# EAGLE board Mk4 Final a Panel score 2x5 (EAGLE 9.0.1), part 2 of 29
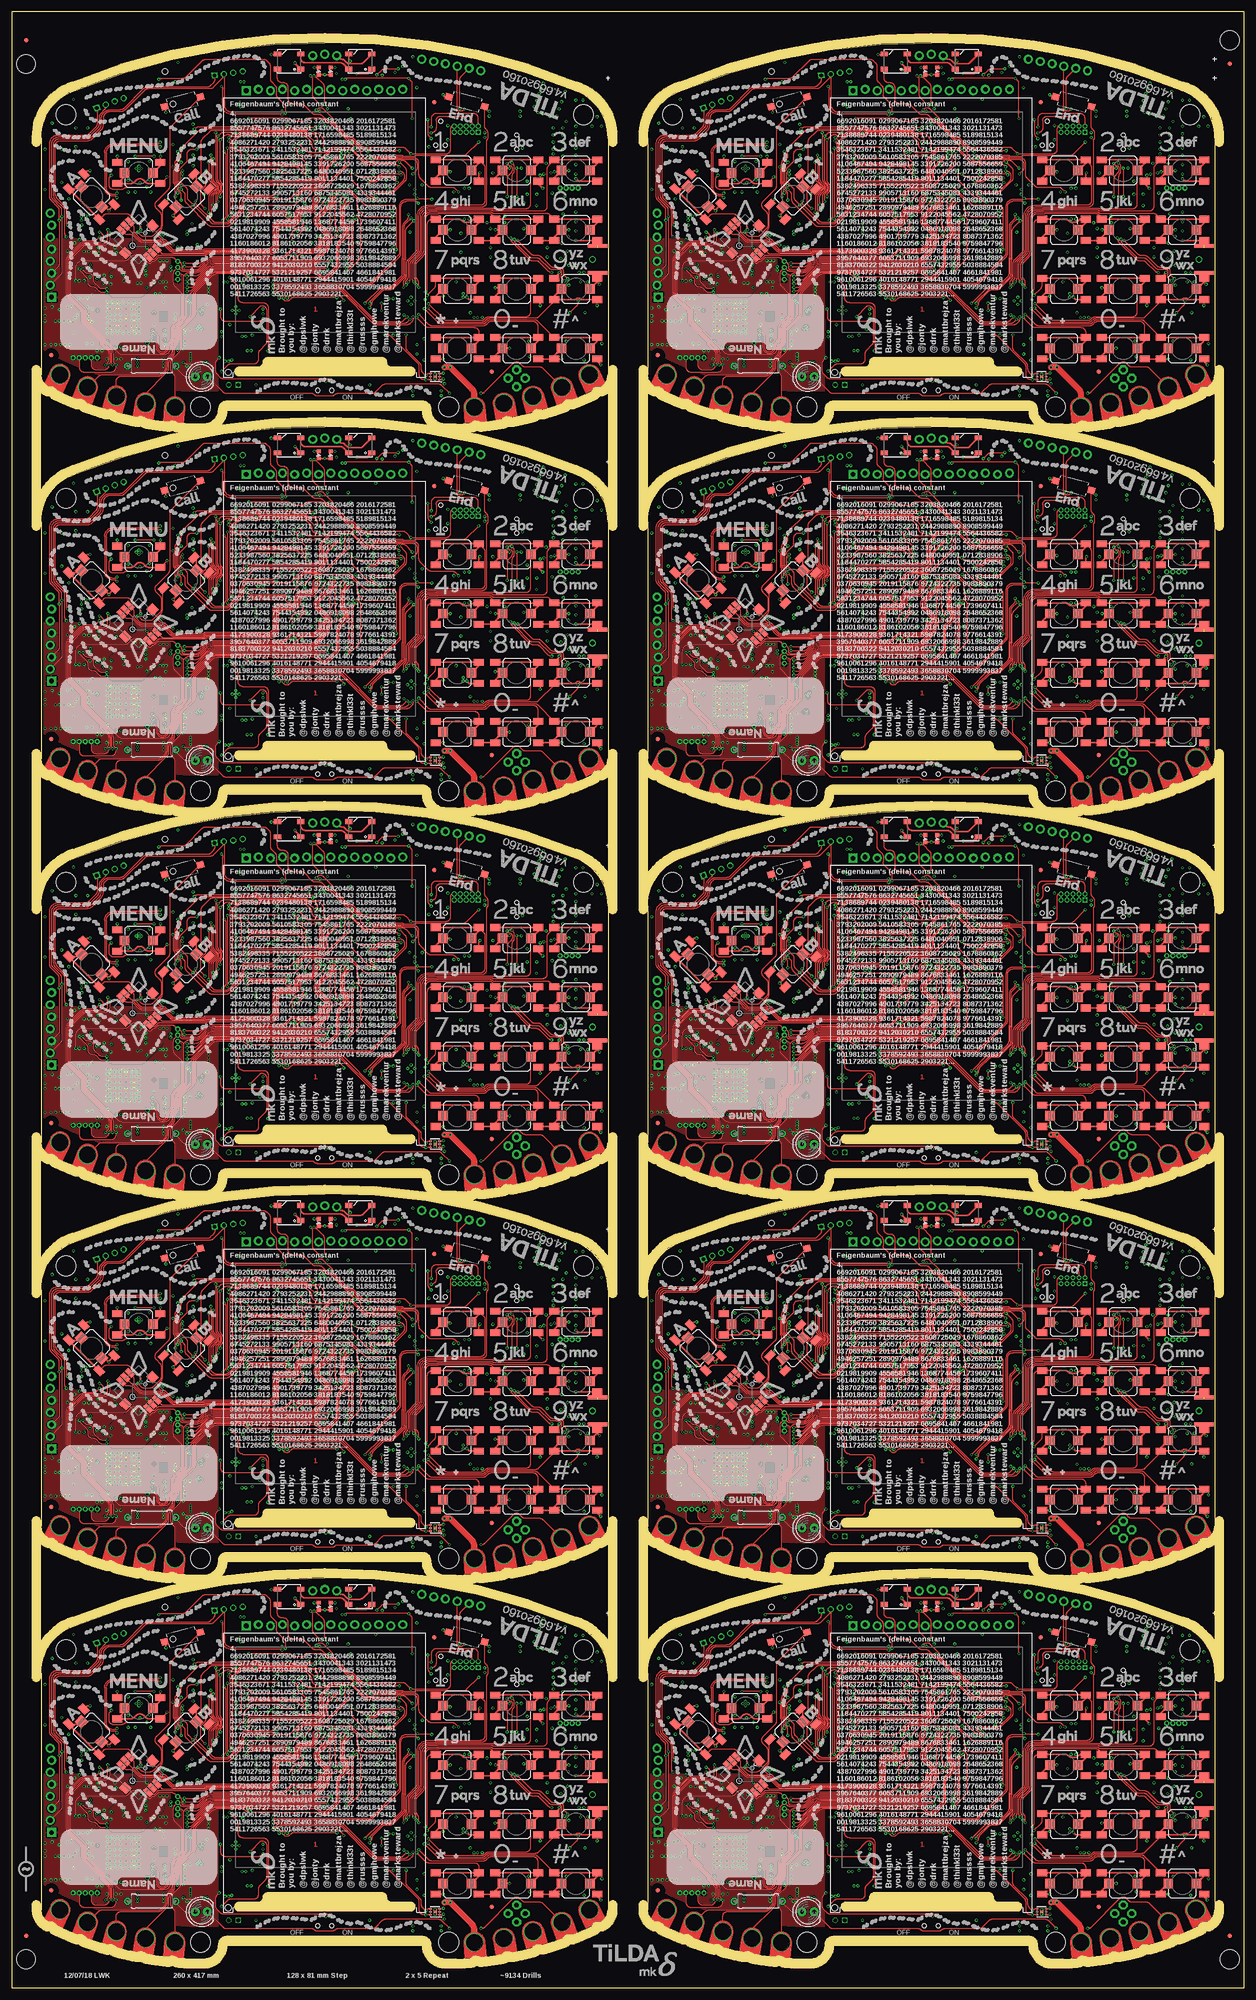
[diagram p0: board, top side]
## Placement (x,y rotation side) (continued)
C484  0402/10p/50V/C0G  [C0402-SMALLER]  102,233 0 bottom
C485  0402/33p/50V/C0G  [C0402-SMALLER]  106,234 180 bottom
C486  0402/33p/50V/C0G  [C0402-SMALLER]  102,234 0 bottom
C487  0402/10p/50V/C0G  [C0402-SMALLER]  104,233 0 bottom
C488  0402/10p/50V/C0G  [C0402-SMALLER]  106,233 180 bottom
C489  0402/33p/50V/C0G  [C0402-SMALLER]  95.5,214.5 90 bottom
C490  0402/10p/50V/C0G  [C0402-SMALLER]  96.5,216.5 90 bottom
C491  0402/33p/50V/C0G  [C0402-SMALLER]  95.5,212.5 270 bottom
C492  0402/33p/50V/C0G  [C0402-SMALLER]  95.5,216.5 90 bottom
C493  0402/10p/50V/C0G  [C0402-SMALLER]  96.5,214.5 90 bottom
C494  0402/10p/50V/C0G  [C0402-SMALLER]  96.5,212.5 270 bottom
C495  0402/100n/10V/X5R  [C0402-SMALLER]  85.25,218.45 180 bottom
C496  0402/100n/10V/X5R  [C0402-SMALLER]  100.75,229 270 bottom
C497  [C0402-SMALLER]  117.45,206.1 270 bottom
C498  [C0402-SMALLER]  118,203.5 180 bottom
C499  [C0402-SMALLER]  116.75,233 20 bottom
C500  [C0402-SMALLER]  117.75,235.75 20 bottom
C501  [C0402-SMALLER]  11.75,191.5 270 bottom
C502  [C0402-SMALLER]  8.5,191.5 270 bottom
C503  0402/1n/10V/X5R  [C0402-SMALLER]  87.5,225.75 0 bottom
C504  0402/2n2/10V/X5R  [C0402-SMALLER]  85.5,225.75 0 bottom
C505  0402/100n/10V/X5R  [C0402-SMALLER]  90,223 0 bottom
C506  0402/100n/10V/X5R  [C0402-SMALLER]  90,222 0 bottom
C507  0402/220n/6V3/X5R  [C0402-SMALLER]  29.95,226.45 180 bottom
C508  0402/220n/6V3/X5R  [C0402-SMALLER]  29.95,227.45 180 bottom
C509  0402/100n/10V/X5R  [C0402-SMALLER]  27.05,217.45 270 bottom
C510  0402/100n/10V/X5R  [C0402-SMALLER]  23,205.25 180 bottom
C511  0402/100n/10V/X5R  [C0402-SMALLER]  14.25,197 270 bottom
C512  0402/100n/10V/X5R  [C0402-SMALLER]  17.5,191.25 0 bottom
C513  0805/10u/10V/X5R  [C0805-N]  17.85,202.1 90 bottom
C514  0402/100n/10V/X5R  [C0402-SMALLER]  20.1,198.25 90 bottom
C515  0402/100n/10V/X5R  [C0402-SMALLER]  30.75,194.75 180 bottom
C516  0603/1u/6V3/X5R  [C0603K-SMALL]  17.5,197.75 0 bottom
C517  0603/22u/4V/X5R  [C0603K-SMALL]  27.25,200.75 90 bottom
C518  0603/22u/4V/X5R  [C0603K-SMALL]  26,200.75 90 bottom
C519  0805/10u/10V/X5R  [C0805-N]  32.25,200 270 bottom
C520  0402/4u7/6V3/X5R  [C0402-SMALLER]  21.6,198 90 bottom
C521  0402/4u7/6V3/X5R  [C0402-SMALLER]  27.2,196.5 180 bottom
C522  0402/4u7/6V3/X5R  [C0402-SMALLER]  22.9,198.2 90 bottom
C523  0402/100n/10V/X5R  [C0402-SMALLER]  22,183 270 bottom
C524  0402/100n/10V/X5R  [C0402-SMALLER]  30,190.25 270 bottom
C525  0805/10u/10V/X5R  [C0805-N]  30.5,196.75 180 bottom
C526  0402/100n/10V/X5R  [C0402-SMALLER]  17.5,190.25 0 bottom
C527  0402/100n/10V/X5R  [C0402-SMALLER]  30.75,193.75 180 bottom
C528  0402/100n/10V/X5R  [C0402-SMALLER]  31,186.75 180 bottom
C529  0402/100n/10V/X5R  [C0402-SMALLER]  23,183 270 bottom
C530  0402/12p/50V/C0G  [C0402-SMALLER]  16.95,188.25 270 bottom
C531  0402/12p/50V/C0G  [C0402-SMALLER]  16.95,186.25 90 bottom
C532  0402/12p/50V/C0G  [C0402-SMALLER]  33.75,189.75 270 bottom
C533  0402/12p/50V/C0G  [C0402-SMALLER]  33.75,191.75 90 bottom
C534  0402/100n/10V/X5R  [C0402-SMALLER]  81,187.5 180 bottom
C535  0402/120p/50V/C0G  [C0402-SMALLER]  33.95,182.35 270 bottom
C536  0402/100n/10V/X5R  [C0402-SMALLER]  90.25,178 90 bottom
C537  0402/220n/6V3/X5R  [C0402-SMALLER]  29.95,228.4 180 bottom
C538  0402/220n/6V3/X5R  [C0402-SMALLER]  30,225.5 180 bottom
C539  0402/100n/10V/X5R  [C0402-SMALLER]  85.35,174.5 270 bottom
C540  0402/100n/10V/X5R  [C0402-SMALLER]  92,177.5 270 bottom
C541  0603/4u7/10V/X5R  [C0603K-SMALL]  185.75,208.25 180 bottom
C542  0402/100n/10V/X5R  [C0402-SMALLER]  185.75,207 180 bottom
C543  0603/1u/6V3/X5R  [C0603K-SMALL]  188.75,243.5 270 bottom
C544  0402/100n/10V/X5R  [C0402-SMALLER]  203.75,214.25 0 bottom
C545  0402/100n/10V/X5R  [C0402-SMALLER]  196.5,240.75 270 bottom
C546  0402/100n/10V/X5R  [C0402-SMALLER]  203.5,236.5 0 bottom
C547  0402/100n/10V/X5R  [C0402-SMALLER]  212.45,238.5 270 bottom
C548  0603/2u2/6V3/X5R  [C0603K-SMALL]  205,219.5 0 bottom
C549  0603/1u/6V3/X5R  [C0603K-SMALL]  205,218.25 0 bottom
C550  0402/100n/10V/X5R  [C0402-SMALLER]  195.75,231 270 bottom
C551  0402/100n/10V/X5R  [C0402-SMALLER]  203.5,221.25 90 bottom
C552  0402/100n/10V/X5R  [C0402-SMALLER]  184.75,220.6 270 bottom
C553  0402/100n/10V/X5R  [C0402-SMALLER]  193.5,230.25 0 bottom
C554  0402/100n/10V/X5R  [C0402-SMALLER]  194,211.5 180 bottom
C555  0402/100n/10V/X5R  [C0402-SMALLER]  196.75,211.5 180 bottom
C556  0603/1u/6V3/X5R  [C0603K-SMALL]  196.75,209.75 180 bottom
C557  0402/100n/10V/X5R  [C0402-SMALLER]  192.5,232.25 0 bottom
C558  0402/12p/50V/C0G  [C0402-SMALLER]  196.25,232.45 180 bottom
C559  0402/12p/50V/C0G  [C0402-SMALLER]  198.25,232.45 0 bottom
C560  0402/12p/50V/C0G  [C0402-SMALLER]  187.4,231 180 bottom
C561  0402/12p/50V/C0G  [C0402-SMALLER]  189.4,231 0 bottom
C562  0603/3n3/50V/X7R  [C0603K-SMALL]  210.5,245.5 90 bottom
C563  0402/100n/10V/X5R  [C0402-SMALLER]  208,193.75 180 bottom
C564  0402/100n/10V/X5R  [C0402-SMALLER]  178.25,229.5 0 bottom
C565  0402/100n/10V/X5R  [C0402-SMALLER]  178.25,224.75 0 bottom
C566  0402/100n/10V/X5R  [C0402-SMALLER]  163.25,222.25 180 bottom
C567  0402/100n/10V/X5R  [C0402-SMALLER]  178.25,220.75 0 bottom
C568  0402/100n/10V/X5R  [C0402-SMALLER]  178.25,231 0 bottom
C569  0402/100n/10V/X5R  [C0402-SMALLER]  163.25,227 180 bottom
C570  0402/100n/10V/X5R  [C0402-SMALLER]  178.25,210.25 0 bottom
C571  1411/100u/10V/Tant  [CT3528]  230.25,193.5 90 bottom
C572  0603/4u7/10V/X5R  [C0603K-SMALL]  235.5,195.75 180 bottom
C573  0402/100n/10V/X5R  [C0402-SMALLER]  237.25,198.75 180 bottom
C574  1411/100u/10V/Tant  [CT3528]  226.5,193.5 90 bottom
C575  0805/10u/10V/X5R  [C0805-N]  166.45,186.75 0 bottom
C576  0603/4u7/10V/X5R  [C0603K-SMALL]  167.45,182.35 90 bottom
C577  0805/10u/10V/X5R  [C0805-N]  166.45,184.75 0 bottom
C578  0805/10u/10V/X5R  [C0805-N]  215,183.75 270 bottom
C579  0805/10u/10V/X5R  [C0805-N]  177.75,188 180 bottom
C580  0805/10u/10V/X5R  [C0805-N]  170.75,194.5 90 bottom
C581  0603/4u7/10V/X5R  [C0603K-SMALL]  170.2,192.25 180 bottom
C582  0402/47n/10V/X5R  [C0402-SMALLER]  170.75,191.25 0 bottom
C583  0805/10u/10V/X5R  [C0805-N]  174.25,187 0 bottom
C584  0603/1u/6V3/X5R  [C0603K-SMALL]  171.75,196.75 0 bottom
C585  1210/100u/6V3/X5R  [C1210K]  160,205.25 270 bottom
C586  1210/100u/6V3/X5R  [C1210K]  157.25,181 0 bottom
C587  0402/22p/10V/C0G  [C0402-SMALLER]  235.5,220.5 270 bottom
C588  0402/22p/10V/C0G  [C0402-SMALLER]  232.5,220.5 270 bottom
C589  0402/22p/10V/C0G  [C0402-SMALLER]  230.5,220.5 270 bottom
C590  0402/100n/10V/X5R  [C0402-SMALLER]  249.25,182.25 180 bottom
C591  0402/33p/50V/C0G  [C0402-SMALLER]  232,234 0 bottom
C592  0402/10p/50V/C0G  [C0402-SMALLER]  230,233 0 bottom
C593  0402/33p/50V/C0G  [C0402-SMALLER]  234,234 180 bottom
C594  0402/33p/50V/C0G  [C0402-SMALLER]  230,234 0 bottom
C595  0402/10p/50V/C0G  [C0402-SMALLER]  232,233 0 bottom
C596  0402/10p/50V/C0G  [C0402-SMALLER]  234,233 180 bottom
C597  0402/33p/50V/C0G  [C0402-SMALLER]  223.5,214.5 90 bottom
C598  0402/10p/50V/C0G  [C0402-SMALLER]  224.5,216.5 90 bottom
C599  0402/33p/50V/C0G  [C0402-SMALLER]  223.5,212.5 270 bottom
C600  0402/33p/50V/C0G  [C0402-SMALLER]  223.5,216.5 90 bottom
C601  0402/10p/50V/C0G  [C0402-SMALLER]  224.5,214.5 90 bottom
C602  0402/10p/50V/C0G  [C0402-SMALLER]  224.5,212.5 270 bottom
C603  0402/100n/10V/X5R  [C0402-SMALLER]  213.25,218.45 180 bottom
C604  0402/100n/10V/X5R  [C0402-SMALLER]  228.75,229 270 bottom
C605  [C0402-SMALLER]  245.45,206.1 270 bottom
C606  [C0402-SMALLER]  246,203.5 180 bottom
C607  [C0402-SMALLER]  244.75,233 20 bottom
C608  [C0402-SMALLER]  245.75,235.75 20 bottom
C609  [C0402-SMALLER]  139.75,191.5 270 bottom
C610  [C0402-SMALLER]  136.5,191.5 270 bottom
C611  0402/1n/10V/X5R  [C0402-SMALLER]  215.5,225.75 0 bottom
C612  0402/2n2/10V/X5R  [C0402-SMALLER]  213.5,225.75 0 bottom
C613  0402/100n/10V/X5R  [C0402-SMALLER]  218,223 0 bottom
C614  0402/100n/10V/X5R  [C0402-SMALLER]  218,222 0 bottom
C615  0402/220n/6V3/X5R  [C0402-SMALLER]  157.95,226.45 180 bottom
C616  0402/220n/6V3/X5R  [C0402-SMALLER]  157.95,227.45 180 bottom
C617  0402/100n/10V/X5R  [C0402-SMALLER]  155.05,217.45 270 bottom
C618  0402/100n/10V/X5R  [C0402-SMALLER]  151,205.25 180 bottom
C619  0402/100n/10V/X5R  [C0402-SMALLER]  142.25,197 270 bottom
C620  0402/100n/10V/X5R  [C0402-SMALLER]  145.5,191.25 0 bottom
C621  0805/10u/10V/X5R  [C0805-N]  145.85,202.1 90 bottom
C622  0402/100n/10V/X5R  [C0402-SMALLER]  148.1,198.25 90 bottom
C623  0402/100n/10V/X5R  [C0402-SMALLER]  158.75,194.75 180 bottom
C624  0603/1u/6V3/X5R  [C0603K-SMALL]  145.5,197.75 0 bottom
C625  0603/22u/4V/X5R  [C0603K-SMALL]  155.25,200.75 90 bottom
C626  0603/22u/4V/X5R  [C0603K-SMALL]  154,200.75 90 bottom
C627  0805/10u/10V/X5R  [C0805-N]  160.25,200 270 bottom
C628  0402/4u7/6V3/X5R  [C0402-SMALLER]  149.6,198 90 bottom
C629  0402/4u7/6V3/X5R  [C0402-SMALLER]  155.2,196.5 180 bottom
C630  0402/4u7/6V3/X5R  [C0402-SMALLER]  150.9,198.2 90 bottom
C631  0402/100n/10V/X5R  [C0402-SMALLER]  150,183 270 bottom
C632  0402/100n/10V/X5R  [C0402-SMALLER]  158,190.25 270 bottom
C633  0805/10u/10V/X5R  [C0805-N]  158.5,196.75 180 bottom
C634  0402/100n/10V/X5R  [C0402-SMALLER]  145.5,190.25 0 bottom
C635  0402/100n/10V/X5R  [C0402-SMALLER]  158.75,193.75 180 bottom
C636  0402/100n/10V/X5R  [C0402-SMALLER]  159,186.75 180 bottom
C637  0402/100n/10V/X5R  [C0402-SMALLER]  151,183 270 bottom
C638  0402/12p/50V/C0G  [C0402-SMALLER]  144.95,188.25 270 bottom
C639  0402/12p/50V/C0G  [C0402-SMALLER]  144.95,186.25 90 bottom
C640  0402/12p/50V/C0G  [C0402-SMALLER]  161.75,189.75 270 bottom
C641  0402/12p/50V/C0G  [C0402-SMALLER]  161.75,191.75 90 bottom
C642  0402/100n/10V/X5R  [C0402-SMALLER]  209,187.5 180 bottom
C643  0402/120p/50V/C0G  [C0402-SMALLER]  161.95,182.35 270 bottom
C644  0402/100n/10V/X5R  [C0402-SMALLER]  218.25,178 90 bottom
C645  0402/220n/6V3/X5R  [C0402-SMALLER]  157.95,228.4 180 bottom
C646  0402/220n/6V3/X5R  [C0402-SMALLER]  158,225.5 180 bottom
C647  0402/100n/10V/X5R  [C0402-SMALLER]  213.35,174.5 270 bottom
C648  0402/100n/10V/X5R  [C0402-SMALLER]  220,177.5 270 bottom
C649  0603/4u7/10V/X5R  [C0603K-SMALL]  57.75,289.25 180 bottom
C650  0402/100n/10V/X5R  [C0402-SMALLER]  57.75,288 180 bottom
C651  0603/1u/6V3/X5R  [C0603K-SMALL]  60.75,324.5 270 bottom
C652  0402/100n/10V/X5R  [C0402-SMALLER]  75.75,295.25 0 bottom
C653  0402/100n/10V/X5R  [C0402-SMALLER]  68.5,321.75 270 bottom
C654  0402/100n/10V/X5R  [C0402-SMALLER]  75.5,317.5 0 bottom
C655  0402/100n/10V/X5R  [C0402-SMALLER]  84.45,319.5 270 bottom
C656  0603/2u2/6V3/X5R  [C0603K-SMALL]  77,300.5 0 bottom
C657  0603/1u/6V3/X5R  [C0603K-SMALL]  77,299.25 0 bottom
C658  0402/100n/10V/X5R  [C0402-SMALLER]  67.75,312 270 bottom
C659  0402/100n/10V/X5R  [C0402-SMALLER]  75.5,302.25 90 bottom
C660  0402/100n/10V/X5R  [C0402-SMALLER]  56.75,301.6 270 bottom
C661  0402/100n/10V/X5R  [C0402-SMALLER]  65.5,311.25 0 bottom
C662  0402/100n/10V/X5R  [C0402-SMALLER]  66,292.5 180 bottom
C663  0402/100n/10V/X5R  [C0402-SMALLER]  68.75,292.5 180 bottom
C664  0603/1u/6V3/X5R  [C0603K-SMALL]  68.75,290.75 180 bottom
C665  0402/100n/10V/X5R  [C0402-SMALLER]  64.5,313.25 0 bottom
C666  0402/12p/50V/C0G  [C0402-SMALLER]  68.25,313.45 180 bottom
C667  0402/12p/50V/C0G  [C0402-SMALLER]  70.25,313.45 0 bottom
C668  0402/12p/50V/C0G  [C0402-SMALLER]  59.4,312 180 bottom
C669  0402/12p/50V/C0G  [C0402-SMALLER]  61.4,312 0 bottom
C670  0603/3n3/50V/X7R  [C0603K-SMALL]  82.5,326.5 90 bottom
C671  0402/100n/10V/X5R  [C0402-SMALLER]  80,274.75 180 bottom
C672  0402/100n/10V/X5R  [C0402-SMALLER]  50.25,310.5 0 bottom
C673  0402/100n/10V/X5R  [C0402-SMALLER]  50.25,305.75 0 bottom
C674  0402/100n/10V/X5R  [C0402-SMALLER]  35.25,303.25 180 bottom
C675  0402/100n/10V/X5R  [C0402-SMALLER]  50.25,301.75 0 bottom
C676  0402/100n/10V/X5R  [C0402-SMALLER]  50.25,312 0 bottom
C677  0402/100n/10V/X5R  [C0402-SMALLER]  35.25,308 180 bottom
C678  0402/100n/10V/X5R  [C0402-SMALLER]  50.25,291.25 0 bottom
C679  1411/100u/10V/Tant  [CT3528]  102.25,274.5 90 bottom
C680  0603/4u7/10V/X5R  [C0603K-SMALL]  107.5,276.75 180 bottom
C681  0402/100n/10V/X5R  [C0402-SMALLER]  109.25,279.75 180 bottom
C682  1411/100u/10V/Tant  [CT3528]  98.5,274.5 90 bottom
C683  0805/10u/10V/X5R  [C0805-N]  38.45,267.75 0 bottom
C684  0603/4u7/10V/X5R  [C0603K-SMALL]  39.45,263.35 90 bottom
C685  0805/10u/10V/X5R  [C0805-N]  38.45,265.75 0 bottom
C686  0805/10u/10V/X5R  [C0805-N]  87,264.75 270 bottom
C687  0805/10u/10V/X5R  [C0805-N]  49.75,269 180 bottom
C688  0805/10u/10V/X5R  [C0805-N]  42.75,275.5 90 bottom
C689  0603/4u7/10V/X5R  [C0603K-SMALL]  42.2,273.25 180 bottom
C690  0402/47n/10V/X5R  [C0402-SMALLER]  42.75,272.25 0 bottom
C691  0805/10u/10V/X5R  [C0805-N]  46.25,268 0 bottom
C692  0603/1u/6V3/X5R  [C0603K-SMALL]  43.75,277.75 0 bottom
C693  1210/100u/6V3/X5R  [C1210K]  32,286.25 270 bottom
C694  1210/100u/6V3/X5R  [C1210K]  29.25,262 0 bottom
C695  0402/22p/10V/C0G  [C0402-SMALLER]  107.5,301.5 270 bottom
C696  0402/22p/10V/C0G  [C0402-SMALLER]  104.5,301.5 270 bottom
C697  0402/22p/10V/C0G  [C0402-SMALLER]  102.5,301.5 270 bottom
C698  0402/100n/10V/X5R  [C0402-SMALLER]  121.25,263.25 180 bottom
C699  0402/33p/50V/C0G  [C0402-SMALLER]  104,315 0 bottom
C700  0402/10p/50V/C0G  [C0402-SMALLER]  102,314 0 bottom
C701  0402/33p/50V/C0G  [C0402-SMALLER]  106,315 180 bottom
C702  0402/33p/50V/C0G  [C0402-SMALLER]  102,315 0 bottom
C703  0402/10p/50V/C0G  [C0402-SMALLER]  104,314 0 bottom
C704  0402/10p/50V/C0G  [C0402-SMALLER]  106,314 180 bottom
C705  0402/33p/50V/C0G  [C0402-SMALLER]  95.5,295.5 90 bottom
C706  0402/10p/50V/C0G  [C0402-SMALLER]  96.5,297.5 90 bottom
C707  0402/33p/50V/C0G  [C0402-SMALLER]  95.5,293.5 270 bottom
C708  0402/33p/50V/C0G  [C0402-SMALLER]  95.5,297.5 90 bottom
C709  0402/10p/50V/C0G  [C0402-SMALLER]  96.5,295.5 90 bottom
C710  0402/10p/50V/C0G  [C0402-SMALLER]  96.5,293.5 270 bottom
C711  0402/100n/10V/X5R  [C0402-SMALLER]  85.25,299.45 180 bottom
C712  0402/100n/10V/X5R  [C0402-SMALLER]  100.75,310 270 bottom
C713  [C0402-SMALLER]  117.45,287.1 270 bottom
C714  [C0402-SMALLER]  118,284.5 180 bottom
C715  [C0402-SMALLER]  116.75,314 20 bottom
C716  [C0402-SMALLER]  117.75,316.75 20 bottom
C717  [C0402-SMALLER]  11.75,272.5 270 bottom
C718  [C0402-SMALLER]  8.5,272.5 270 bottom
C719  0402/1n/10V/X5R  [C0402-SMALLER]  87.5,306.75 0 bottom
C720  0402/2n2/10V/X5R  [C0402-SMALLER]  85.5,306.75 0 bottom
C721  0402/100n/10V/X5R  [C0402-SMALLER]  90,304 0 bottom
C722  0402/100n/10V/X5R  [C0402-SMALLER]  90,303 0 bottom
C723  0402/220n/6V3/X5R  [C0402-SMALLER]  29.95,307.45 180 bottom
C724  0402/220n/6V3/X5R  [C0402-SMALLER]  29.95,308.45 180 bottom
C725  0402/100n/10V/X5R  [C0402-SMALLER]  27.05,298.45 270 bottom
C726  0402/100n/10V/X5R  [C0402-SMALLER]  23,286.25 180 bottom
C727  0402/100n/10V/X5R  [C0402-SMALLER]  14.25,278 270 bottom
C728  0402/100n/10V/X5R  [C0402-SMALLER]  17.5,272.25 0 bottom
C729  0805/10u/10V/X5R  [C0805-N]  17.85,283.1 90 bottom
C730  0402/100n/10V/X5R  [C0402-SMALLER]  20.1,279.25 90 bottom
C731  0402/100n/10V/X5R  [C0402-SMALLER]  30.75,275.75 180 bottom
C732  0603/1u/6V3/X5R  [C0603K-SMALL]  17.5,278.75 0 bottom
C733  0603/22u/4V/X5R  [C0603K-SMALL]  27.25,281.75 90 bottom
C734  0603/22u/4V/X5R  [C0603K-SMALL]  26,281.75 90 bottom
C735  0805/10u/10V/X5R  [C0805-N]  32.25,281 270 bottom
C736  0402/4u7/6V3/X5R  [C0402-SMALLER]  21.6,279 90 bottom
C737  0402/4u7/6V3/X5R  [C0402-SMALLER]  27.2,277.5 180 bottom
C738  0402/4u7/6V3/X5R  [C0402-SMALLER]  22.9,279.2 90 bottom
C739  0402/100n/10V/X5R  [C0402-SMALLER]  22,264 270 bottom
C740  0402/100n/10V/X5R  [C0402-SMALLER]  30,271.25 270 bottom
C741  0805/10u/10V/X5R  [C0805-N]  30.5,277.75 180 bottom
C742  0402/100n/10V/X5R  [C0402-SMALLER]  17.5,271.25 0 bottom
C743  0402/100n/10V/X5R  [C0402-SMALLER]  30.75,274.75 180 bottom
C744  0402/100n/10V/X5R  [C0402-SMALLER]  31,267.75 180 bottom
C745  0402/100n/10V/X5R  [C0402-SMALLER]  23,264 270 bottom
C746  0402/12p/50V/C0G  [C0402-SMALLER]  16.95,269.25 270 bottom
C747  0402/12p/50V/C0G  [C0402-SMALLER]  16.95,267.25 90 bottom
C748  0402/12p/50V/C0G  [C0402-SMALLER]  33.75,270.75 270 bottom
C749  0402/12p/50V/C0G  [C0402-SMALLER]  33.75,272.75 90 bottom
C750  0402/100n/10V/X5R  [C0402-SMALLER]  81,268.5 180 bottom
C751  0402/120p/50V/C0G  [C0402-SMALLER]  33.95,263.35 270 bottom
C752  0402/100n/10V/X5R  [C0402-SMALLER]  90.25,259 90 bottom
C753  0402/220n/6V3/X5R  [C0402-SMALLER]  29.95,309.4 180 bottom
C754  0402/220n/6V3/X5R  [C0402-SMALLER]  30,306.5 180 bottom
C755  0402/100n/10V/X5R  [C0402-SMALLER]  85.35,255.5 270 bottom
C756  0402/100n/10V/X5R  [C0402-SMALLER]  92,258.5 270 bottom
C757  0603/4u7/10V/X5R  [C0603K-SMALL]  185.75,289.25 180 bottom
C758  0402/100n/10V/X5R  [C0402-SMALLER]  185.75,288 180 bottom
C759  0603/1u/6V3/X5R  [C0603K-SMALL]  188.75,324.5 270 bottom
C760  0402/100n/10V/X5R  [C0402-SMALLER]  203.75,295.25 0 bottom
C761  0402/100n/10V/X5R  [C0402-SMALLER]  196.5,321.75 270 bottom
C762  0402/100n/10V/X5R  [C0402-SMALLER]  203.5,317.5 0 bottom
C763  0402/100n/10V/X5R  [C0402-SMALLER]  212.45,319.5 270 bottom
C764  0603/2u2/6V3/X5R  [C0603K-SMALL]  205,300.5 0 bottom
C765  0603/1u/6V3/X5R  [C0603K-SMALL]  205,299.25 0 bottom
C766  0402/100n/10V/X5R  [C0402-SMALLER]  195.75,312 270 bottom
C767  0402/100n/10V/X5R  [C0402-SMALLER]  203.5,302.25 90 bottom
C768  0402/100n/10V/X5R  [C0402-SMALLER]  184.75,301.6 270 bottom
C769  0402/100n/10V/X5R  [C0402-SMALLER]  193.5,311.25 0 bottom
C770  0402/100n/10V/X5R  [C0402-SMALLER]  194,292.5 180 bottom
C771  0402/100n/10V/X5R  [C0402-SMALLER]  196.75,292.5 180 bottom
C772  0603/1u/6V3/X5R  [C0603K-SMALL]  196.75,290.75 180 bottom
C773  0402/100n/10V/X5R  [C0402-SMALLER]  192.5,313.25 0 bottom
C774  0402/12p/50V/C0G  [C0402-SMALLER]  196.25,313.45 180 bottom
C775  0402/12p/50V/C0G  [C0402-SMALLER]  198.25,313.45 0 bottom
C776  0402/12p/50V/C0G  [C0402-SMALLER]  187.4,312 180 bottom
C777  0402/12p/50V/C0G  [C0402-SMALLER]  189.4,312 0 bottom
C778  0603/3n3/50V/X7R  [C0603K-SMALL]  210.5,326.5 90 bottom
C779  0402/100n/10V/X5R  [C0402-SMALLER]  208,274.75 180 bottom
C780  0402/100n/10V/X5R  [C0402-SMALLER]  178.25,310.5 0 bottom
C781  0402/100n/10V/X5R  [C0402-SMALLER]  178.25,305.75 0 bottom
C782  0402/100n/10V/X5R  [C0402-SMALLER]  163.25,303.25 180 bottom
C783  0402/100n/10V/X5R  [C0402-SMALLER]  178.25,301.75 0 bottom
C784  0402/100n/10V/X5R  [C0402-SMALLER]  178.25,312 0 bottom
C785  0402/100n/10V/X5R  [C0402-SMALLER]  163.25,308 180 bottom
C786  0402/100n/10V/X5R  [C0402-SMALLER]  178.25,291.25 0 bottom
C787  1411/100u/10V/Tant  [CT3528]  230.25,274.5 90 bottom
C788  0603/4u7/10V/X5R  [C0603K-SMALL]  235.5,276.75 180 bottom
C789  0402/100n/10V/X5R  [C0402-SMALLER]  237.25,279.75 180 bottom
C790  1411/100u/10V/Tant  [CT3528]  226.5,274.5 90 bottom
C791  0805/10u/10V/X5R  [C0805-N]  166.45,267.75 0 bottom
C792  0603/4u7/10V/X5R  [C0603K-SMALL]  167.45,263.35 90 bottom
C793  0805/10u/10V/X5R  [C0805-N]  166.45,265.75 0 bottom
C794  0805/10u/10V/X5R  [C0805-N]  215,264.75 270 bottom
C795  0805/10u/10V/X5R  [C0805-N]  177.75,269 180 bottom
C796  0805/10u/10V/X5R  [C0805-N]  170.75,275.5 90 bottom
C797  0603/4u7/10V/X5R  [C0603K-SMALL]  170.2,273.25 180 bottom
C798  0402/47n/10V/X5R  [C0402-SMALLER]  170.75,272.25 0 bottom
C799  0805/10u/10V/X5R  [C0805-N]  174.25,268 0 bottom
C800  0603/1u/6V3/X5R  [C0603K-SMALL]  171.75,277.75 0 bottom
C801  1210/100u/6V3/X5R  [C1210K]  160,286.25 270 bottom
C802  1210/100u/6V3/X5R  [C1210K]  157.25,262 0 bottom
C803  0402/22p/10V/C0G  [C0402-SMALLER]  235.5,301.5 270 bottom
C804  0402/22p/10V/C0G  [C0402-SMALLER]  232.5,301.5 270 bottom
C805  0402/22p/10V/C0G  [C0402-SMALLER]  230.5,301.5 270 bottom
C806  0402/100n/10V/X5R  [C0402-SMALLER]  249.25,263.25 180 bottom
C807  0402/33p/50V/C0G  [C0402-SMALLER]  232,315 0 bottom
C808  0402/10p/50V/C0G  [C0402-SMALLER]  230,314 0 bottom
C809  0402/33p/50V/C0G  [C0402-SMALLER]  234,315 180 bottom
C810  0402/33p/50V/C0G  [C0402-SMALLER]  230,315 0 bottom
C811  0402/10p/50V/C0G  [C0402-SMALLER]  232,314 0 bottom
C812  0402/10p/50V/C0G  [C0402-SMALLER]  234,314 180 bottom
C813  0402/33p/50V/C0G  [C0402-SMALLER]  223.5,295.5 90 bottom
C814  0402/10p/50V/C0G  [C0402-SMALLER]  224.5,297.5 90 bottom
C815  0402/33p/50V/C0G  [C0402-SMALLER]  223.5,293.5 270 bottom
C816  0402/33p/50V/C0G  [C0402-SMALLER]  223.5,297.5 90 bottom
C817  0402/10p/50V/C0G  [C0402-SMALLER]  224.5,295.5 90 bottom
C818  0402/10p/50V/C0G  [C0402-SMALLER]  224.5,293.5 270 bottom
C819  0402/100n/10V/X5R  [C0402-SMALLER]  213.25,299.45 180 bottom
C820  0402/100n/10V/X5R  [C0402-SMALLER]  228.75,310 270 bottom
C821  [C0402-SMALLER]  245.45,287.1 270 bottom
C822  [C0402-SMALLER]  246,284.5 180 bottom
C823  [C0402-SMALLER]  244.75,314 20 bottom
C824  [C0402-SMALLER]  245.75,316.75 20 bottom
C825  [C0402-SMALLER]  139.75,272.5 270 bottom
C826  [C0402-SMALLER]  136.5,272.5 270 bottom
C827  0402/1n/10V/X5R  [C0402-SMALLER]  215.5,306.75 0 bottom
C828  0402/2n2/10V/X5R  [C0402-SMALLER]  213.5,306.75 0 bottom
C829  0402/100n/10V/X5R  [C0402-SMALLER]  218,304 0 bottom
C830  0402/100n/10V/X5R  [C0402-SMALLER]  218,303 0 bottom
C831  0402/220n/6V3/X5R  [C0402-SMALLER]  157.95,307.45 180 bottom
C832  0402/220n/6V3/X5R  [C0402-SMALLER]  157.95,308.45 180 bottom
C833  0402/100n/10V/X5R  [C0402-SMALLER]  155.05,298.45 270 bottom
C834  0402/100n/10V/X5R  [C0402-SMALLER]  151,286.25 180 bottom
C835  0402/100n/10V/X5R  [C0402-SMALLER]  142.25,278 270 bottom
C836  0402/100n/10V/X5R  [C0402-SMALLER]  145.5,272.25 0 bottom
C837  0805/10u/10V/X5R  [C0805-N]  145.85,283.1 90 bottom
C838  0402/100n/10V/X5R  [C0402-SMALLER]  148.1,279.25 90 bottom
C839  0402/100n/10V/X5R  [C0402-SMALLER]  158.75,275.75 180 bottom
C840  0603/1u/6V3/X5R  [C0603K-SMALL]  145.5,278.75 0 bottom
C841  0603/22u/4V/X5R  [C0603K-SMALL]  155.25,281.75 90 bottom
C842  0603/22u/4V/X5R  [C0603K-SMALL]  154,281.75 90 bottom
C843  0805/10u/10V/X5R  [C0805-N]  160.25,281 270 bottom
C844  0402/4u7/6V3/X5R  [C0402-SMALLER]  149.6,279 90 bottom
C845  0402/4u7/6V3/X5R  [C0402-SMALLER]  155.2,277.5 180 bottom
C846  0402/4u7/6V3/X5R  [C0402-SMALLER]  150.9,279.2 90 bottom
C847  0402/100n/10V/X5R  [C0402-SMALLER]  150,264 270 bottom
C848  0402/100n/10V/X5R  [C0402-SMALLER]  158,271.25 270 bottom
C849  0805/10u/10V/X5R  [C0805-N]  158.5,277.75 180 bottom
C850  0402/100n/10V/X5R  [C0402-SMALLER]  145.5,271.25 0 bottom
C851  0402/100n/10V/X5R  [C0402-SMALLER]  158.75,274.75 180 bottom
C852  0402/100n/10V/X5R  [C0402-SMALLER]  159,267.75 180 bottom
C853  0402/100n/10V/X5R  [C0402-SMALLER]  151,264 270 bottom
C854  0402/12p/50V/C0G  [C0402-SMALLER]  144.95,269.25 270 bottom
C855  0402/12p/50V/C0G  [C0402-SMALLER]  144.95,267.25 90 bottom
C856  0402/12p/50V/C0G  [C0402-SMALLER]  161.75,270.75 270 bottom
C857  0402/12p/50V/C0G  [C0402-SMALLER]  161.75,272.75 90 bottom
C858  0402/100n/10V/X5R  [C0402-SMALLER]  209,268.5 180 bottom
C859  0402/120p/50V/C0G  [C0402-SMALLER]  161.95,263.35 270 bottom
C860  0402/100n/10V/X5R  [C0402-SMALLER]  218.25,259 90 bottom
C861  0402/220n/6V3/X5R  [C0402-SMALLER]  157.95,309.4 180 bottom
C862  0402/220n/6V3/X5R  [C0402-SMALLER]  158,306.5 180 bottom
C863  0402/100n/10V/X5R  [C0402-SMALLER]  213.35,255.5 270 bottom
C864  0402/100n/10V/X5R  [C0402-SMALLER]  220,258.5 270 bottom
C865  0603/4u7/10V/X5R  [C0603K-SMALL]  57.75,370.25 180 bottom
C866  0402/100n/10V/X5R  [C0402-SMALLER]  57.75,369 180 bottom
C867  0603/1u/6V3/X5R  [C0603K-SMALL]  60.75,405.5 270 bottom
C868  0402/100n/10V/X5R  [C0402-SMALLER]  75.75,376.25 0 bottom
C869  0402/100n/10V/X5R  [C0402-SMALLER]  68.5,402.75 270 bottom
C870  0402/100n/10V/X5R  [C0402-SMALLER]  75.5,398.5 0 bottom
C871  0402/100n/10V/X5R  [C0402-SMALLER]  84.45,400.5 270 bottom
C872  0603/2u2/6V3/X5R  [C0603K-SMALL]  77,381.5 0 bottom
C873  0603/1u/6V3/X5R  [C0603K-SMALL]  77,380.25 0 bottom
C874  0402/100n/10V/X5R  [C0402-SMALLER]  67.75,393 270 bottom
C875  0402/100n/10V/X5R  [C0402-SMALLER]  75.5,383.25 90 bottom
C876  0402/100n/10V/X5R  [C0402-SMALLER]  56.75,382.6 270 bottom
C877  0402/100n/10V/X5R  [C0402-SMALLER]  65.5,392.25 0 bottom
C878  0402/100n/10V/X5R  [C0402-SMALLER]  66,373.5 180 bottom
C879  0402/100n/10V/X5R  [C0402-SMALLER]  68.75,373.5 180 bottom
C880  0603/1u/6V3/X5R  [C0603K-SMALL]  68.75,371.75 180 bottom
C881  0402/100n/10V/X5R  [C0402-SMALLER]  64.5,394.25 0 bottom
C882  0402/12p/50V/C0G  [C0402-SMALLER]  68.25,394.45 180 bottom
C883  0402/12p/50V/C0G  [C0402-SMALLER]  70.25,394.45 0 bottom
C884  0402/12p/50V/C0G  [C0402-SMALLER]  59.4,393 180 bottom
C885  0402/12p/50V/C0G  [C0402-SMALLER]  61.4,393 0 bottom
C886  0603/3n3/50V/X7R  [C0603K-SMALL]  82.5,407.5 90 bottom
C887  0402/100n/10V/X5R  [C0402-SMALLER]  80,355.75 180 bottom